# Altium PCB Minion_1_SiC780A_Rev01.PcbDoc (part 5 of 6) (continued)
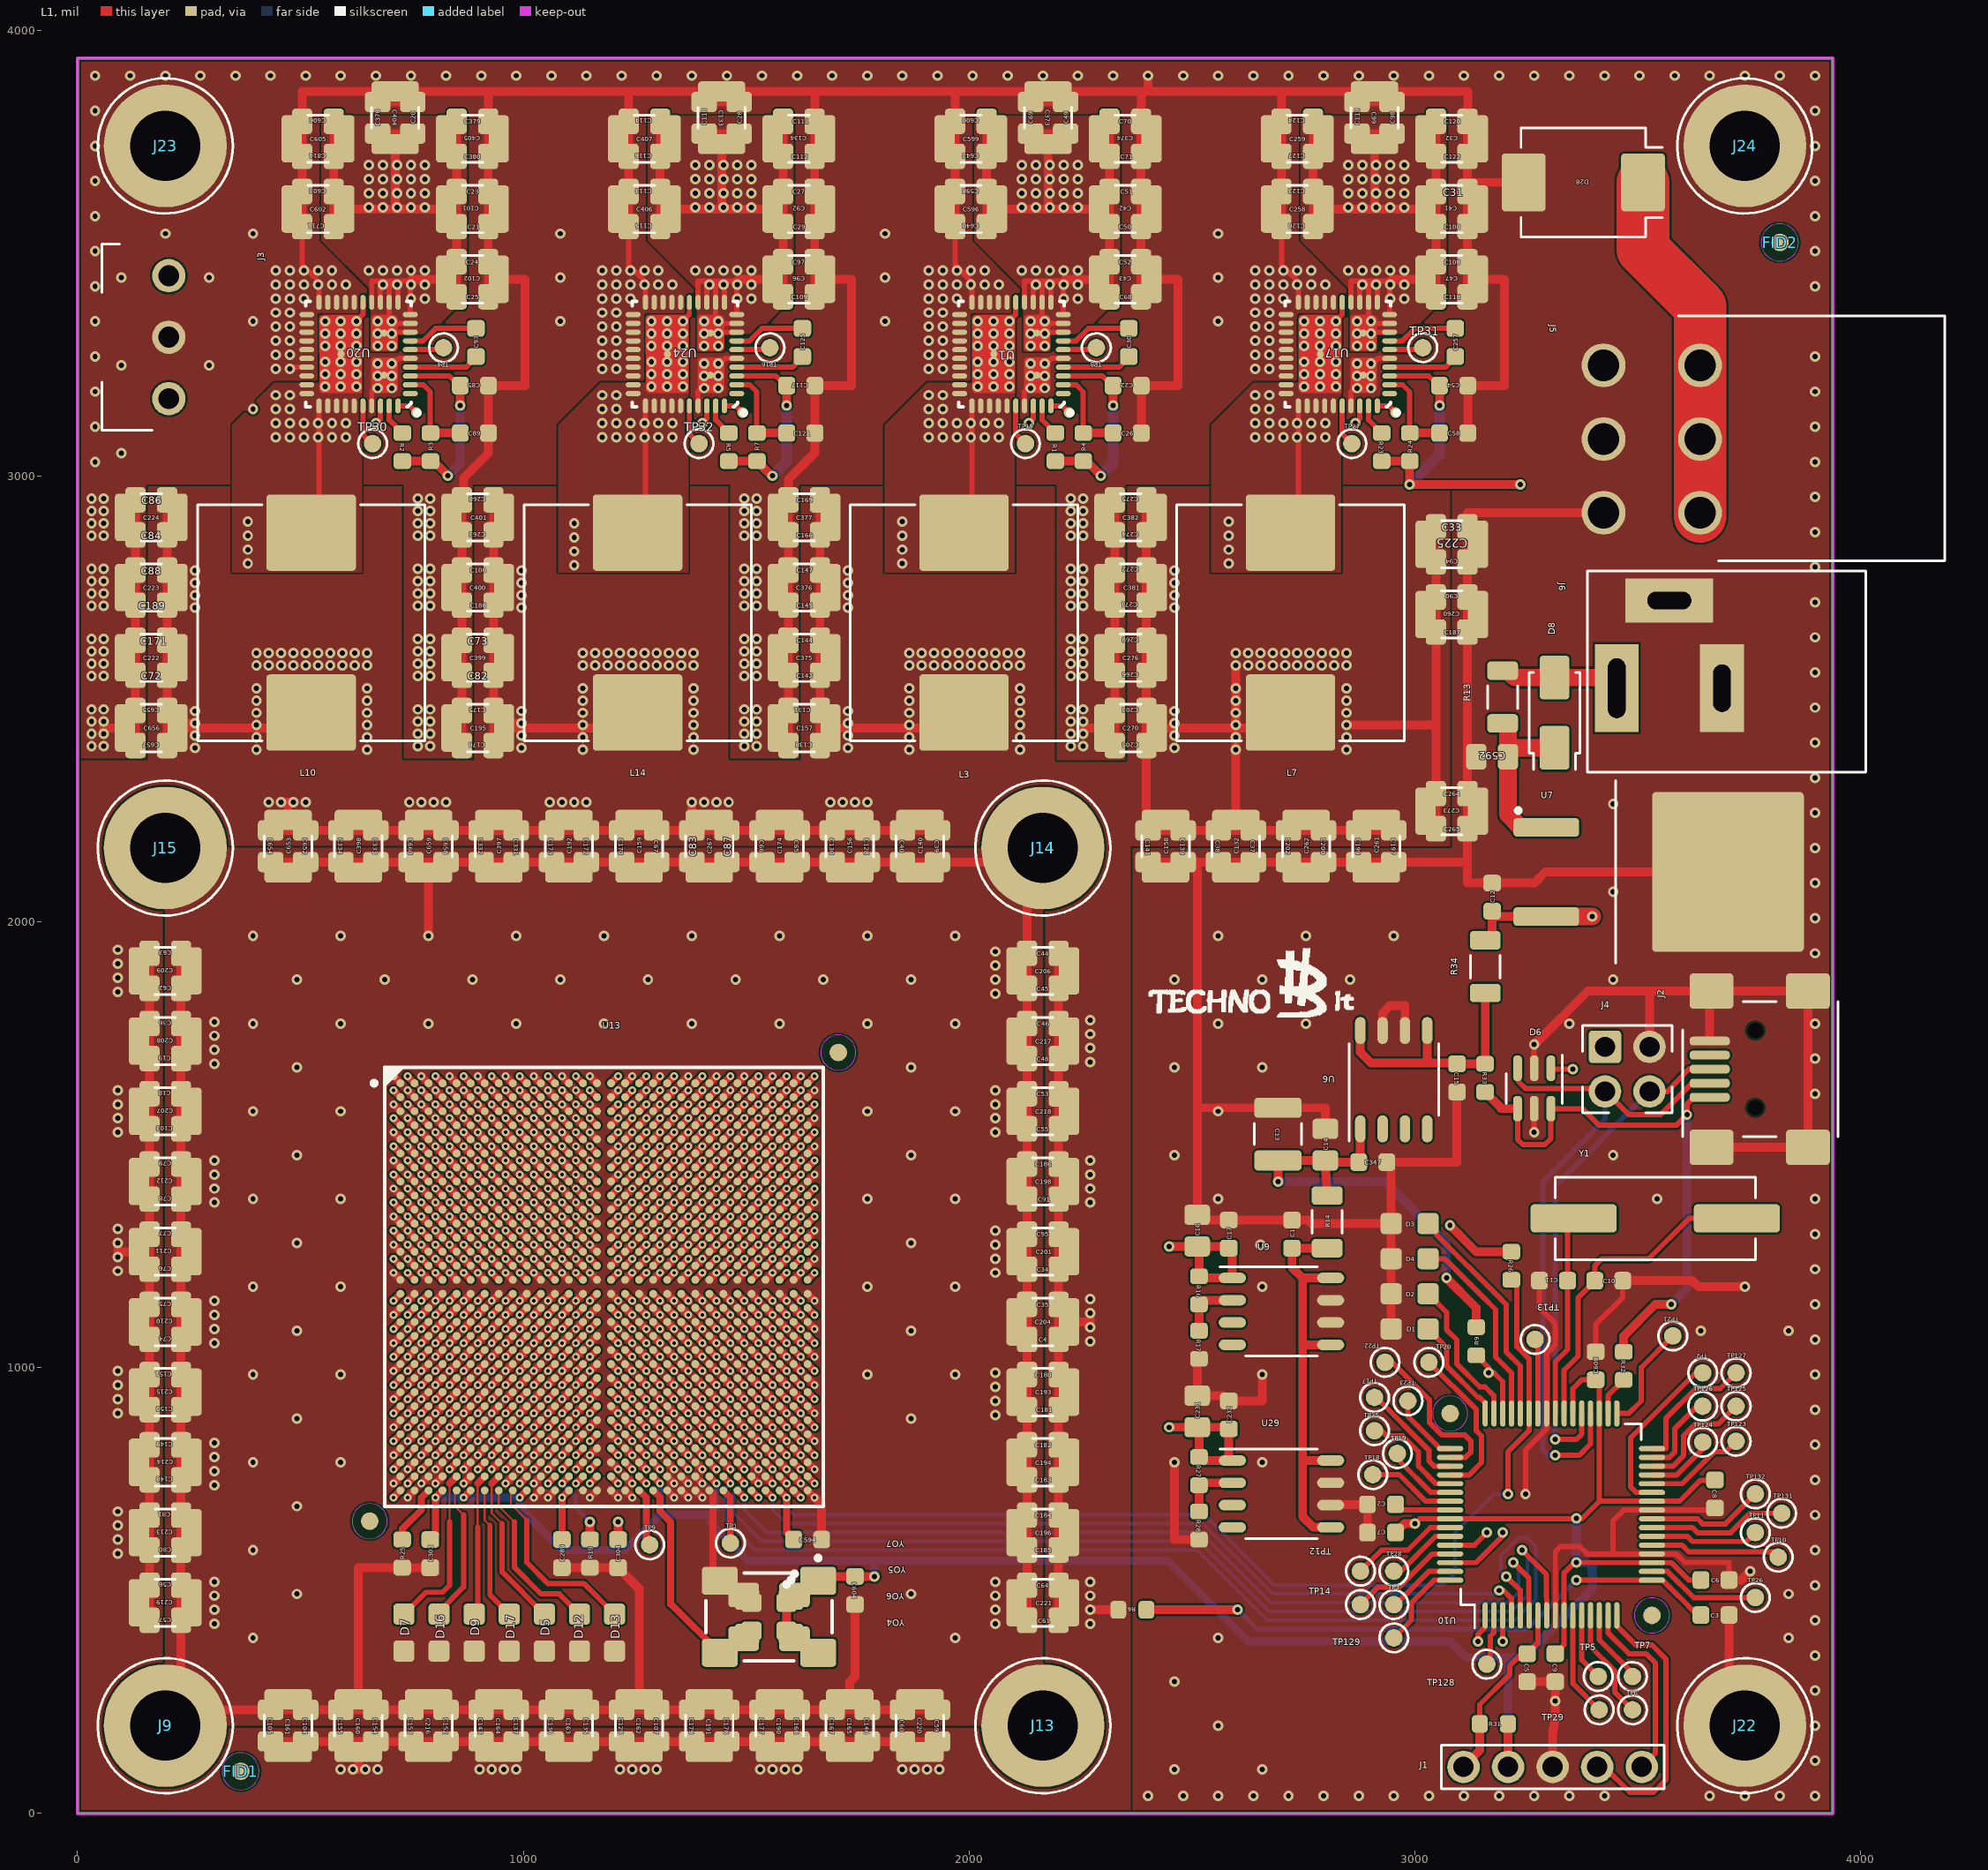
[diagram p0: L1 view]
## Nets (pads, with @x,y where several pads share a name; then routed paths per layer and width w, separated by ;. In a path a pad name is that pad's centre, name@x,y a point inside that pad or via, vN(x,y) a via of type N, cw(c..) or ccw(c..) an arc to the next point about the centre after c; other vN are vias at no path point) (continued)
  other v1: 2401.57,39.37 2480.31,39.37 2559.06,39.37 2637.8,39.37 2716.54,39.37 2795.28,39.37 2874.02,39.37 2952.76,39.37 3031.5,39.37 3110.24,39.37 3188.98,39.37 3267.72,39.37 3346.46,39.37 3425.2,39.37 3661.42,39.37 3740.16,39.37 3818.9,39.37 3897.64,39.37 2460.63,98.43 2657.48,98.43 3897.64,118.11 2559.06,196.85 3897.64,196.85 3897.64,275.59 2460.63,295.28 3897.64,354.33 393.7,393.7 1968.5,393.7 2559.06,393.7 3838.58,393.7 307.09,425.2 2059.06,425.2 3897.64,433.07 307.09,456.69 2059.06,456.69 307.09,488.19 2059.06,488.19 492.13,492.13 1870.08,492.13 3838.58,492.13 3897.64,511.81 307.09,519.69 2059.06,519.69 393.7,590.55 3897.64,590.55 3897.64,669.29 492.13,688.98 307.09,736.22 3897.64,748.03 307.09,767.72 393.7,787.4 590.55,787.4 2657.48,787.4 307.09,799.21 3897.64,826.77 307.09,830.71 492.13,885.83 1870.08,885.83 2059.06,893.7 3897.64,905.51 2059.06,925.2 2059.06,956.69 393.7,984.25 590.55,984.25 1771.65,984.25 1968.5,984.25 3897.64,984.25 2059.06,988.19 307.28,1055.12 3897.64,1062.99 492.13,1082.68 1870.08,1082.68 3641.73,1082.68 3838.58,1082.68 307.28,1086.61 307.28,1118.11 3897.64,1141.73 307.28,1149.61 393.7,1181.1 590.55,1181.1 1771.65,1181.1 1968.5,1181.1 2657.48,1181.1 2059.25,1212.6 3897.64,1220.47 2059.25,1244.09 2059.25,1275.59 2653.54,1275.59 492.13,1279.53 1870.08,1279.53 3897.64,1299.21 2059.25,1307.09 307.28,1370.08 393.7,1377.95 590.55,1377.95 1771.65,1377.95 1968.5,1377.95 2559.06,1377.95 3543.31,1377.95 3897.64,1377.95 307.28,1401.57 307.28,1433.07 307.28,1464.57 492.13,1476.38 1870.08,1476.38 2460.63,1476.38 3444.88,1476.38 2059.25,1527.56 2059.25,1559.06 393.7,1574.8 590.55,1574.8 1771.65,1574.8 1968.5,1574.8 2559.06,1574.8 2059.25,1590.55 3897.64,1614.17 2059.25,1622.05 492.13,1673.23 1870.08,1673.23 2460.63,1673.23 2657.48,1673.23 307.28,1681.1 3897.64,1692.91 307.28,1712.6 307.28,1744.09 393.7,1771.65 590.55,1771.65 787.4,1771.65 984.25,1771.65 1181.1,1771.65 1377.95,1771.65 1574.8,1771.65 1771.65,1771.65 1968.5,1771.65 2559.06,1771.65 2755.91,1771.65 3346.46,1771.65 3897.64,1771.65 307.28,1775.59 2059.25,1838.58 492.13,1870.08 688.98,1870.08 885.83,1870.08 1082.68,1870.08 1279.53,1870.08 1476.38,1870.08 1673.23,1870.08 1870.08,1870.08 2059.25,1870.08 2460.63,1870.08 2657.48,1870.08 2854.33,1870.08 3444.88,1870.08 2059.25,1901.57 3897.64,1929.13 2059.25,1933.07 393.7,1968.5 590.55,1968.5 984.25,1968.5 1181.1,1968.5 1377.95,1968.5 1574.8,1968.5 1771.65,1968.5 1968.5,1968.5 2559.06,1968.5 2755.91,1968.5 2952.76,1968.5 3897.64,2007.87 3444.88,2066.93 3897.64,2086.61 3897.64,2165.35 3897.64,2244.09 3444.88,2263.78 3897.64,2322.83 31.5,2393.7 59.06,2393.7 763.78,2393.7 791.34,2393.7 1496.06,2393.7 1523.62,2393.7 2228.35,2393.7 2255.91,2393.7 3897.64,2401.57 31.5,2421.26 763.78,2421.26 791.34,2421.26 1496.06,2421.26 1523.62,2421.26 2228.35,2421.26 31.5,2448.82 763.78,2448.82 791.34,2448.82 1496.06,2448.82 1523.62,2448.82 2228.35,2448.82 31.5,2476.38 59.06,2476.38 763.78,2476.38 791.34,2476.38 1496.06,2476.38 1523.62,2476.38 2228.35,2476.38 2255.91,2476.38 3897.64,2480.31 31.5,2551.18 59.06,2551.18 763.78,2551.18 791.34,2551.18 1496.06,2551.18 1523.62,2551.18 2228.35,2551.18 2255.91,2551.18 3897.64,2559.06 31.5,2578.74 59.06,2578.74 763.78,2578.74 791.34,2578.74 1496.06,2578.74 1523.62,2578.74 2228.35,2578.74 2255.91,2578.74 31.5,2606.3 59.06,2606.3 763.78,2606.3 791.34,2606.3 1496.06,2606.3 1523.62,2606.3 2228.35,2606.3 2255.91,2606.3 31.5,2633.86 59.06,2633.86 763.78,2633.86 791.34,2633.86 1496.06,2633.86 1523.62,2633.86 2228.35,2633.86 2255.91,2633.86 3897.64,2637.8 31.5,2708.66 59.06,2708.66 763.78,2708.66 791.34,2708.66 1496.06,2708.66 1523.62,2708.66 2228.35,2708.66 2255.91,2708.66 3897.64,2716.54 31.5,2736.22 59.06,2736.22 763.78,2736.22 791.34,2736.22 1496.06,2736.22 1523.62,2736.22 2228.35,2736.22 2255.91,2736.22 31.5,2763.78 59.06,2763.78 763.78,2763.78 791.34,2763.78 1496.06,2763.78 1523.62,2763.78 2228.35,2763.78 2255.91,2763.78 31.5,2791.34 59.06,2791.34 763.78,2791.34 791.34,2791.34 1496.06,2791.34 1523.62,2791.34 2228.35,2791.34 2255.91,2791.34 3897.64,2795.28 31.5,2866.14 59.06,2866.14 763.78,2866.14 791.34,2866.14 1496.06,2866.14 1523.62,2866.14 2228.35,2866.14 2255.91,2866.14 3897.64,2874.02 31.5,2893.7 59.06,2893.7 763.78,2893.7 791.34,2893.7 1496.06,2893.7 1523.62,2893.7 2228.35,2893.7 2255.91,2893.7 31.5,2921.26 59.06,2921.26 763.78,2921.26 791.34,2921.26 1496.06,2921.26 1523.62,2921.26 2228.35,2921.26 2255.91,2921.26 31.5,2948.82 59.06,2948.82 763.78,2948.82 791.34,2948.82 1496.06,2948.82 1523.62,2948.82 2228.35,2948.82 2255.91,2948.82 3897.64,2952.76 39.37,3031.5 3897.64,3031.5 98.43,3051.18 39.37,3110.24 3897.64,3110.24 393.7,3149.61 39.37,3188.98 3897.64,3188.98 673.23,3196.85 704.72,3196.85 1405.51,3196.85 1437.01,3196.85 2137.8,3196.85 2169.29,3196.85 2870.08,3196.85 2901.57,3196.85 673.23,3224.41 704.72,3224.41 1405.51,3224.41 1437.01,3224.41 2137.8,3224.41 2169.29,3224.41 2870.08,3224.41 2901.57,3224.41 444.88,3240.16 1177.17,3240.16 1208.66,3240.16 1909.45,3240.16 1940.94,3240.16 2641.73,3240.16 2673.23,3240.16 98.43,3248.03 295.28,3248.03 673.23,3251.97 704.72,3251.97 1405.51,3251.97 1437.01,3251.97 2137.8,3251.97 2169.29,3251.97 2870.08,3251.97 2901.57,3251.97 39.37,3267.72 3897.64,3267.72 444.88,3271.65 476.38,3271.65 1177.17,3271.65 1208.66,3271.65 1909.45,3271.65 1940.94,3271.65 2641.73,3271.65 2673.23,3271.65 444.88,3303.15 476.38,3303.15 1177.17,3303.15 1208.66,3303.15 1909.45,3303.15 1940.94,3303.15 2641.73,3303.15 2673.23,3303.15 444.88,3334.65 476.38,3334.65 1177.17,3334.65 1208.66,3334.65 1909.45,3334.65 1940.94,3334.65 2641.73,3334.65 2673.23,3334.65 39.37,3346.46 393.7,3346.46 1082.68,3346.46 1811.02,3346.46 2559.06,3346.46 444.88,3366.14 476.38,3366.14 1177.17,3366.14 1208.66,3366.14 1909.45,3366.14 1940.94,3366.14 2641.73,3366.14 2673.23,3366.14 444.88,3397.64 476.38,3397.64 507.87,3397.64 1177.17,3397.64 1208.66,3397.64 1240.16,3397.64 1909.45,3397.64 1940.94,3397.64 1972.44,3397.64 2641.73,3397.64 2673.23,3397.64 2704.72,3397.64 39.37,3425.2 3897.64,3425.2 444.88,3429.13 476.38,3429.13 507.87,3429.13 539.37,3429.13 570.87,3429.13 602.36,3429.13 1177.17,3429.13 1208.66,3429.13 1240.16,3429.13 1271.65,3429.13 1303.15,3429.13 1334.65,3429.13 1909.45,3429.13 1940.94,3429.13 1972.44,3429.13 2003.94,3429.13 2035.43,3429.13 2066.93,3429.13 2641.73,3429.13 2673.23,3429.13 2704.72,3429.13 2736.22,3429.13 2767.72,3429.13 2799.21,3429.13 98.43,3444.88 295.28,3444.88 1082.68,3444.88 1811.02,3444.88 2559.06,3444.88 444.88,3460.63 476.38,3460.63 507.87,3460.63 539.37,3460.63 570.87,3460.63 1177.17,3460.63 1208.66,3460.63 1240.16,3460.63 1271.65,3460.63 1303.15,3460.63 1909.45,3460.63 1940.94,3460.63 1972.44,3460.63 2003.94,3460.63 2035.43,3460.63 2641.73,3460.63 2673.23,3460.63 2704.72,3460.63 2736.22,3460.63 2767.72,3460.63 39.37,3503.94 3897.64,3503.94 196.85,3543.31 393.7,3543.31 1082.68,3543.31 1811.02,3543.31 2559.06,3543.31 39.37,3582.68 3897.64,3582.68 39.37,3661.42 3897.64,3661.42 39.37,3740.16 3897.64,3740.16 39.37,3818.9 3897.64,3818.9 39.37,3897.64 118.11,3897.64 196.85,3897.64 275.59,3897.64 354.33,3897.64 433.07,3897.64 511.81,3897.64 590.55,3897.64 669.29,3897.64 748.03,3897.64 826.77,3897.64 905.51,3897.64 984.25,3897.64 1062.99,3897.64 1141.73,3897.64 1220.47,3897.64 1299.21,3897.64 1377.95,3897.64 1456.69,3897.64 1535.43,3897.64 1614.17,3897.64 1692.91,3897.64 1771.65,3897.64 1850.39,3897.64 1929.13,3897.64 2007.87,3897.64 2086.61,3897.64 2165.35,3897.64 2244.09,3897.64 2322.83,3897.64 2480.31,3897.64 2559.06,3897.64 2637.8,3897.64 2716.54,3897.64 2795.28,3897.64 2874.02,3897.64 2952.76,3897.64 3031.5,3897.64 3110.24,3897.64 3188.98,3897.64 3267.72,3897.64 3346.46,3897.64 3425.2,3897.64 3503.94,3897.64 3582.68,3897.64 3661.42,3897.64 3740.16,3897.64 3818.9,3897.64 3897.64,3897.64
GREEN: D2.2 U10.47 | length 336.6
  L1 w11.81: D2.2@3029.53,1165.35 3038.07,1156.81 3070.87,1124.02 3070.87,1085.26 3094.49,1061.64 3094.49,1007.87 3145.67,956.69 3157.48,956.69 3177.46,936.71 U10.47@3177.46,896.97
INT_OUT1: TP1.1 U13.AK24 | length 124.6
  L1 w15.75: U13.AK24@1448.82,724.41 1464.57,708.66 TP1.1@1464.57,606.3